# KiCad board PiEEG.kicad_pcb (continued)
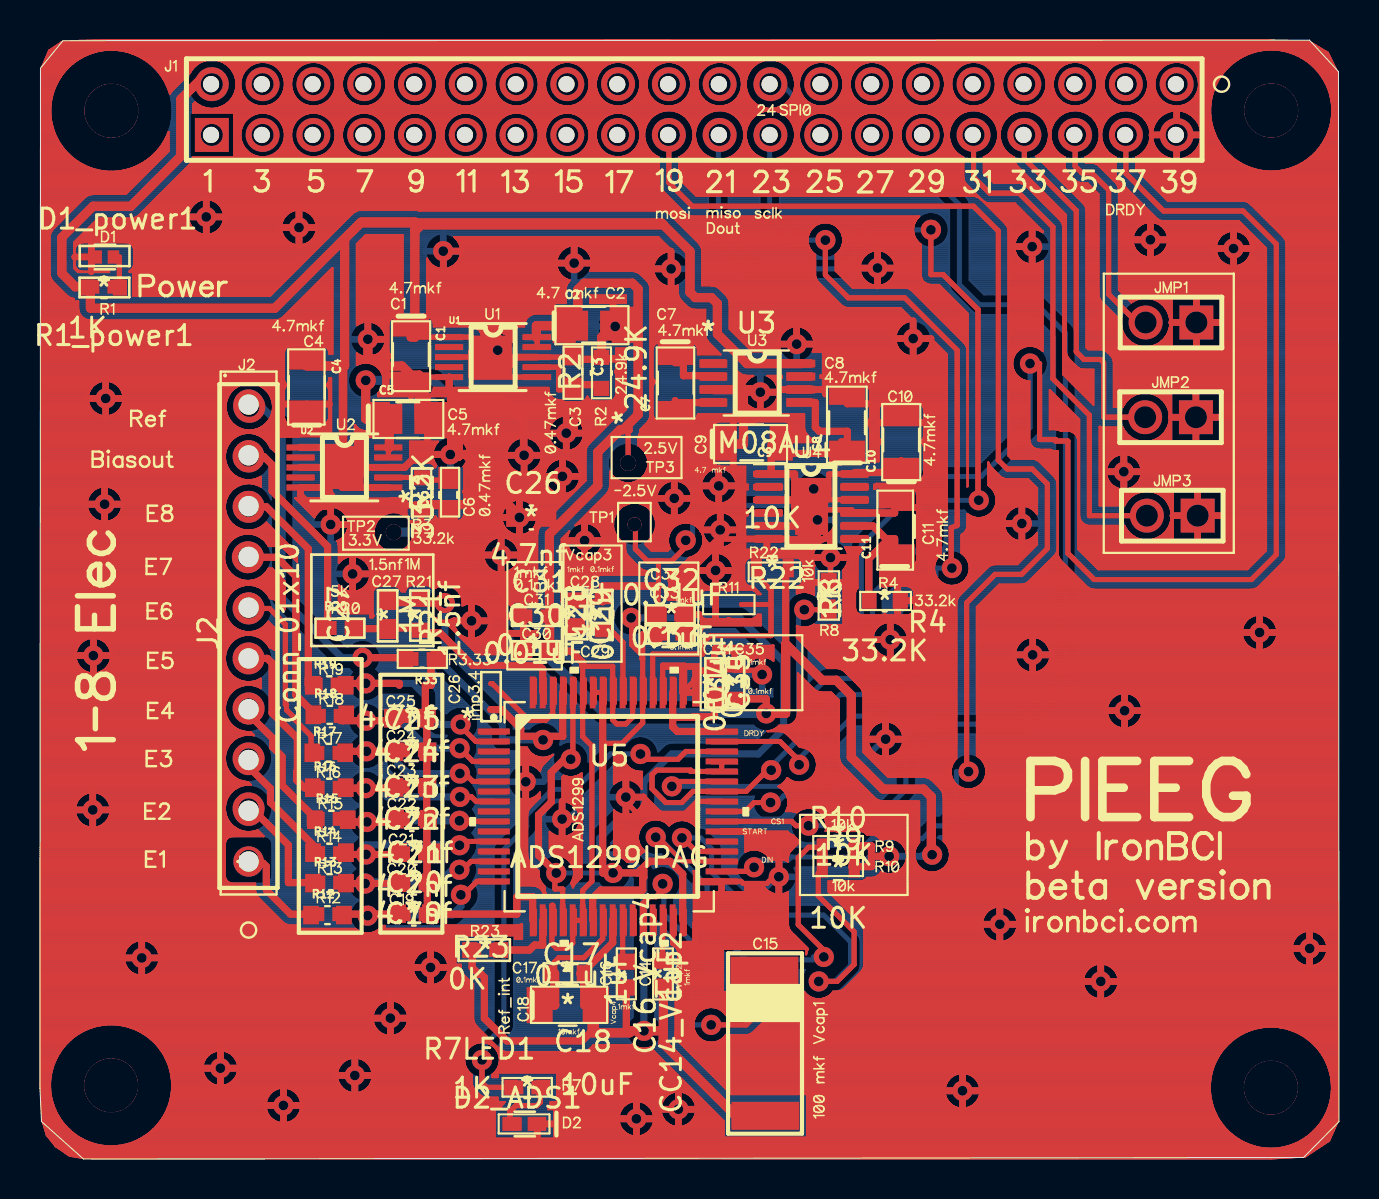
[diagram p0: board, top side]
## Routing (per net, layer and track width the routed paths; a pad name or vN(x,y) marks a point on that pad's centre or on a via; arc(x,y) is an arc through that point) (continued)
34.25,28.68 ; 34.31,28.72 34.36,28.76 ; 34.25,28.68 34.19,28.65 ; 34.25,28.68 34.19,28.65 ; 19.63,38.35 19.6,38.31 ; 19.63,38.35 19.65,38.38 ; 19.63,38.35 19.65,38.38 ; 19.63,38.35 19.6,38.31 ; 19.6,38.31 19.57,38.29 ; 19.6,38.31 19.57,38.29 ; 33.07,26.44 33.2,26.57 ; 33.07,26.44 33.2,26.57 ; 33.07,26.44 33.07,27.02 ; 33.07,26.44 33.07,27.02 ; 33.2,26.57 33.24,26.6 ; 33.2,26.57 33.24,26.6 ; 17.82,30.37 17.54,30.37 ; 17.82,30.37 17.54,30.37 ; 17.82,30.37 17.88,30.37 ; 17.82,30.37 17.88,30.37 ; 17.54,30.37 17.48,30.38 ; 17.54,30.37 17.48,30.38 ; 26.28,50.12 26.18,50.14 ; 26.28,50.12 26.18,50.14 ; 26.28,50.12 26.38,50.12 ; 26.28,50.12 26.38,50.12 ; 26.18,50.14 26.08,50.16 ; 26.18,50.14 26.08,50.16 ; 50.68,35.42 50.64,35.44 ; 50.68,35.42 50.64,35.44 ; 50.68,35.42 50.72,35.42 ; 50.68,35.42 50.72,35.42 ; 50.64,35.44 50.6,35.45 ; 50.64,35.44 50.6,35.45 ; 20.21,50.99 20.19,51.08 ; 20.21,50.99 20.19,51.08 ; 20.21,50.99 20.24,50.89 ; 20.21,50.99 20.24,50.89 ; 20.19,51.08 20.18,51.18 ; 20.19,51.08 20.18,51.18 ; 44.35,52.33 44.45,52.31 ; 44.35,52.33 44.26,52.34 ; 44.35,52.33 44.45,52.31 ; 44.35,52.33 44.26,52.34 ; 44.45,52.31 44.55,52.28 ; 44.45,52.31 44.55,52.28 ; 19.34,10.45 19.41,10.47 ; 19.34,10.45 19.41,10.47 ; 19.34,10.45 19.27,10.44 ; 19.34,10.45 19.27,10.44 ; 19.41,10.47 19.47,10.47 ; 19.41,10.47 19.47,10.47 ; 17.2,50.71 17.15,50.62 ; 17.2,50.71 17.15,50.62 ; 17.2,50.71 17.24,50.8 ; 17.2,50.71 17.24,50.8 ; 17.15,50.62 17.09,50.54 ; 17.15,50.62 17.09,50.54 ; 54.51,54.87 54.61,54.85 ; 54.51,54.87 54.42,54.88 ; 54.51,54.87 54.61,54.85 ; 54.51,54.87 54.42,54.88 ; 54.61,54.85 54.71,54.82 ; 54.61,54.85 54.71,54.82 ; 29.55,18.96 29.61,18.94 ; 29.55,18.96 29.61,18.94 ; 29.55,18.96 29.48,18.98 ; 29.55,18.96 29.48,18.98 ; 53.81,49.23 53.81,49.27 ; 53.81,49.23 53.82,49.19 ; 53.81,49.23 53.81,49.27 ; 53.81,49.23 53.82,49.19 ; 53.81,49.27 53.8,49.36 ; 53.81,49.27 53.8,49.36 ; 39.25,38.17 39.25,38.16 39.25,38.17 ; 39.25,38.17 39.25,38.45 ; 39.25,38.17 39.25,38.45 ; 39.25,38.17 39.24,38.17 ; 39.25,38.17 39.24,38.17 ; 53.52,52.18 53.6,52.24 ; 53.52,52.18 53.6,52.24 ; 53.6,52.24 53.68,52.29 ; 53.6,52.24 53.68,52.29 ; 21.67,41.62 21.71,41.61 ; 21.67,41.62 21.63,41.63 ; 21.67,41.62 21.63,41.63 ; 21.67,41.62 21.71,41.61 ; 21.71,41.61 21.75,41.6 ; 21.71,41.61 21.75,41.6 ; 40,13.92 39.97,13.94 ; 40,13.92 40.06,13.9 ; 40,13.92 39.97,13.94 ; 40,13.92 40.06,13.9 ; 13.1,52.19 13.02,52.14 ; 13.1,52.19 13.02,52.14 ; 15.23,53.25 15.19,53.34 ; 15.23,53.25 15.29,53.16 ; 15.23,53.25 15.29,53.16 ; 15.23,53.25 15.19,53.34 ; 15.19,53.34 15.16,53.43 ; 15.19,53.34 15.16,53.43 ; 12.2,39.12 12.2,40.35 ; 12.2,39.12 12.2,38.99 ; 12.2,39.12 12.2,38.99 ; 12.2,39.12 12.2,40.35 ; 12.2,40.35 12.21,40.41 ; 12.2,40.35 12.21,40.41 ; 18.98,47.45 31.09,47.45 ; 18.98,47.45 18.94,47.46 ; 18.98,47.45 31.09,47.45 ; 18.98,47.45 18.94,47.46 ; 31.09,47.45 31.13,47.44 ; 31.09,47.45 31.13,47.44 ; 12.27,46.03 12.23,46.08 ; 12.27,46.03 12.23,46.08 ; 12.27,46.03 12.32,45.98 ; 12.27,46.03 12.32,45.98 ; 12.23,46.08 12.19,46.14 ; 12.23,46.08 12.19,46.14 ; 4.98,47.24 4.94,47.2 ; 4.98,47.24 7.44,49.7 ; 4.98,47.24 7.44,49.7 ; 4.98,47.24 4.94,47.2 ; 4.94,47.2 4.9,47.17 ; 4.94,47.2 4.9,47.17 ; 60.15,26.07 60.13,26.14 ; 60.15,26.07 60.18,26.01 ; 60.15,26.07 60.13,26.14 ; 60.15,26.07 60.18,26.01 ; 60.13,26.14 60.12,26.21 ; 60.13,26.14 60.12,26.21 ; 52.14,39.5 52.1,39.5 ; 52.14,39.5 52.18,39.49 ; 52.14,39.5 52.1,39.5 ; 52.14,39.5 52.18,39.49 ; 52.1,39.5 52.06,39.51 ; 52.1,39.5 52.06,39.51 ; 27.18,53 27.11,52.94 ; 27.18,53 27.25,53.08 ; 27.18,53 27.25,53.08 ; 27.18,53 27.11,52.94 ; 27.11,52.94 27.03,52.87 ; 27.11,52.94 27.03,52.87 ; 41.85,17.99 41.81,18.01 ; 41.85,17.99 41.89,17.96 ; 41.85,17.99 41.81,18.01 ; 41.85,17.99 41.89,17.96 ; 41.81,18.01 41.77,18.04 ; 41.81,18.01 41.77,18.04 ; 42.79,41.17 42.81,41.24 ; 42.79,41.17 42.79,41.1 ; 42.79,41.17 42.81,41.24 ; 42.79,41.17 42.79,41.1 ; 40.34,29.69 40.3,29.62 ; 40.34,29.69 40.36,29.75 ; 40.34,29.69 40.36,29.75 ; 40.34,29.69 40.3,29.62 ; 40.74,53.08 40.69,53.16 ; 40.74,53.08 40.69,53.16 ; 40.69,53.16 40.63,53.25 ; 40.69,53.16 40.63,53.25 ; 22.27,27.5 22.31,27.44 ; 22.27,27.5 22.31,27.44 ; 17.1,32.17 17.15,32.21 ; 17.1,32.17 16.91,31.98 ; 17.1,32.17 16.91,31.98 ; 17.1,32.17 17.15,32.21 ; 17.15,32.21 17.2,32.23 ; 17.15,32.21 17.2,32.23 ; 25.5,35.98 25.47,36.05 ; 25.5,35.98 25.47,36.05 ; 25.5,35.98 25.53,35.92 ; 25.5,35.98 25.53,35.92 ; 25.47,36.05 25.46,36.11 ; 25.47,36.05 25.46,36.11 ; 43.98,33.93 43.92,33.91 ; 43.98,33.93 43.92,33.91 ; 43.98,33.93 44.03,33.96 ; 43.98,33.93 44.03,33.96 ; 43.92,33.91 43.86,33.9 ; 43.92,33.91 43.86,33.9 ; 17.52,33.04 17.47,33.04 ; 17.52,33.04 17.56,33.05 ; 17.52,33.04 17.56,33.05 ; 17.52,33.04 17.47,33.04 ; 17.47,33.04 17.38,33.04 ; 17.47,33.04 17.38,33.04 ; 64.18,50.84 64.09,50.72 ; 64.18,50.84 64.25,50.97 ; 64.18,50.84 64.25,50.97 ; 64.18,50.84 64.09,50.72 ; 64.09,50.72 64,50.6 ; 64.09,50.72 64,50.6 ; 42.03,21.86 42.09,21.87 ; 42.03,21.86 42.09,21.87 ; 42.03,21.86 41.96,21.83 ; 42.03,21.86 41.96,21.83 ; 42.09,21.87 42.16,21.89 ; 42.09,21.87 42.16,21.89 ; 4.6,49.57 4.74,49.62 ; 4.6,49.57 4.74,49.62 ; 19.37,45.03 19.36,45.05 ; 19.37,45.03 19.4,44.97 ; 19.37,45.03 19.4,44.97 ; 19.37,45.03 19.36,45.05 ; 19.36,45.05 19.36,42.15 ; 19.36,45.05 19.36,42.15 ; 31.72,16.87 31.77,16.89 ; 31.72,16.87 31.68,16.84 ; 31.72,16.87 31.68,16.84 ; 31.72,16.87 31.77,16.89 ; 31.77,16.89 31.81,16.91 ; 31.77,16.89 31.81,16.91 ; 19.57,38.29 19.54,38.26 ; 19.57,38.29 19.54,38.26 ; 19.54,38.26 19.51,38.24 ; 19.54,38.26 19.51,38.24 ; 26.65,19.11 26.7,19.12 ; 26.65,19.11 26.7,19.12 ; 43.04,51.18 43.04,51.28 ; 43.04,51.18 43.04,51.28 ; 43.04,51.18 43.05,51.08 ; 43.04,51.18 43.05,51.08 ; 43.04,51.28 43.05,51.38 ; 43.04,51.28 43.05,51.38 ; 39.97,20.15 39.97,22.95 ; 39.97,20.15 39.97,22.95 ; 39.97,20.15 39.97,20.05 ; 39.97,20.15 39.97,20.05 ; 39.97,22.95 39.57,23.34 ; 39.97,22.95 39.57,23.34 ; 48.43,46.55 48.42,46.59 ; 48.43,46.55 48.42,46.59 ; 31.76,10.65 31.8,10.61 ; 31.76,10.65 31.7,10.68 ; 31.76,10.65 31.8,10.61 ; 31.76,10.65 31.7,10.68 ; 31.8,10.61 31.84,10.56 ; 31.8,10.61 31.84,10.56 ; 47.76,32.57 47.74,32.53 ; 47.76,32.57 47.78,32.62 ; 47.76,32.57 47.74,32.53 ; 47.76,32.57 47.78,32.62 ; 47.74,32.53 47.71,32.48 ; 47.74,32.53 47.71,32.48 ; 29.94,19.38 29.89,19.39 ; 29.94,19.38 29.99,19.37 ; 29.94,19.38 29.89,19.39 ; 29.94,19.38 29.99,19.37 ; 29.89,19.39 29.84,19.4 ; 29.89,19.39 29.84,19.4 ; 26.54,17.79 26.6,17.76 ; 26.54,17.79 26.6,17.76 ; 26.54,17.79 26.47,17.83 ; 26.54,17.79 26.47,17.83 ; 55.66,35.94 55.56,35.91 ; 55.66,35.94 55.75,35.97 ; 55.66,35.94 55.56,35.91 ; 55.66,35.94 55.75,35.97 ; 55.56,35.91 55.47,35.89 ; 55.56,35.91 55.47,35.89 ; 33.1,33.41 33.08,33.48 ; 33.1,33.41 33.12,33.34 ; 33.1,33.41 33.08,33.48 ; 33.1,33.41 33.12,33.34 ; 33.08,33.48 33.07,33.55 ; 33.08,33.48 33.07,33.55 ; 44.79,29.9 44.81,29.95 ; 44.79,29.9 44.77,29.86 ; 44.79,29.9 44.81,29.95 ; 44.79,29.9 44.77,29.86 ; 44.81,29.95 44.83,29.99 ; 44.81,29.95 44.83,29.99 ; 10.03,53.62 10.05,53.53 ; 10.03,53.62 10.05,53.53 ; 26.21,35.04 26.28,35.03 ; 26.21,35.04 26.28,35.03 ; 26.21,35.04 26.14,35.05 ; 26.21,35.04 26.14,35.05 ; 26.28,35.03 26.35,35.02 ; 26.28,35.03 26.35,35.02 ; 5.78,1.6 5.68,1.49 ; 5.78,1.6 5.88,1.71 ; 5.78,1.6 5.68,1.49 ; 5.78,1.6 5.88,1.71 ; 5.68,1.49 5.57,1.39 ; 5.68,1.49 5.57,1.39 ; 30.03,53.82 30.03,53.72 ; 30.03,53.82 30.02,53.92 ; 30.03,53.82 30.02,53.92 ; 30.03,53.82 30.03,53.72 ; 30.03,53.72 30.02,53.62 ; 30.03,53.72 30.02,53.62 ; 19.47,38.22 19.44,38.2 ; 19.47,38.22 19.51,38.24 ; 19.47,38.22 19.51,38.24 ; 19.47,38.22 19.44,38.2 ; 19.44,38.2 19.4,38.19 ; 19.44,38.2 19.4,38.19 ; 14.29,36.8 14.25,36.78 ; 14.29,36.8 14.32,36.82 ; 14.29,36.8 14.25,36.78 ; 14.29,36.8 14.32,36.82 ; 14.25,36.78 14.22,36.76 ; 14.25,36.78 14.22,36.76 ; 37.4,17.59 37.39,17.54 ; 37.4,17.59 37.39,17.54 ; 37.4,17.59 37.41,17.64 ; 37.4,17.59 37.41,17.64 ; 37.39,17.54 37.37,17.49 ; 37.39,17.54 37.37,17.49 ; 0.65,53.34 0.7,53.48 ; 0.65,53.34 0.61,53.2 ; 0.65,53.34 0.7,53.48 ; 0.65,53.34 0.61,53.2 ; 0.7,53.48 0.75,53.62 ; 0.7,53.48 0.75,53.62 ; 41.52,50.12 41.62,50.12 ; 41.52,50.12 41.62,50.12 ; 21.2,54.88 21.3,54.89 ; 21.2,54.88 21.3,54.89 ; 21.2,54.88 21.1,54.87 ; 21.2,54.88 21.1,54.87 ; 21.3,54.89 21.4,54.88 ; 21.3,54.89 21.4,54.88 ; 38.65,30.02 38.65,30.09 ; 38.65,30.02 38.66,29.95 ; 38.65,30.02 38.66,29.95 ; 38.65,30.02 38.65,30.09 ; 38.65,30.09 38.65,30.16 ; 38.65,30.09 38.65,30.16 ; 41.22,45.16 41.27,45.21 ; 41.22,45.16 41.27,45.21 ; 41.27,45.21 41.32,45.26 ; 41.27,45.21 41.32,45.26 ; 50.91,52.11 50.98,52.18 ; 50.91,52.11 50.98,52.18 ; 50.91,52.11 50.84,52.04 ; 50.91,52.11 50.84,52.04 ; 50.98,52.18 51.06,52.24 ; 50.98,52.18 51.06,52.24 ; 14.78,53.92 14.76,54.02 ; 14.78,53.92 14.76,54.02 ; 5.14,49.82 5.01,49.75 ; 5.14,49.82 5.26,49.91 ; 5.14,49.82 5.01,49.75 ; 5.14,49.82 5.26,49.91 ; 5.01,49.75 4.87,49.68 ; 5.01,49.75 4.87,49.68 ; 46.31,31.43 46.33,31.46 ; 46.31,31.43 46.33,31.46 ; 50.38,25.74 50.42,25.68 ; 50.38,25.74 50.42,25.68 ; 50.38,25.74 50.33,25.8 ; 50.38,25.74 50.33,25.8 ; 50.42,25.68 50.45,25.62 ; 50.42,25.68 50.45,25.62 ; 48.36,54.47 48.43,54.54 ; 48.36,54.47 48.43,54.54 ; 48.36,54.47 48.31,54.39 ; 48.36,54.47 48.31,54.39 ; 48.43,54.54 48.5,54.61 ; 48.43,54.54 48.5,54.61 ; 31.3,1.87 31.25,1.92 ; 31.3,1.87 31.35,1.82 ; 31.3,1.87 31.25,1.92 ; 31.3,1.87 31.35,1.82 ; 31.25,1.92 31.21,1.97 ; 31.25,1.92 31.21,1.97 ; 10.94,50.14 10.84,50.16 ; 10.94,50.14 11.04,50.12 ; 10.94,50.14 11.04,50.12 ; 10.94,50.14 10.84,50.16 ; 10.84,50.16 10.74,50.19 ; 10.84,50.16 10.74,50.19 ; 17.09,50.54 17.02,50.46 ; 17.09,50.54 17.02,50.46 ; 60.18,26.01 60.2,25.94 ; 60.18,26.01 60.2,25.94 ; 26.8,17.57 26.85,17.52 ; 26.8,17.57 26.76,17.63 ; 26.8,17.57 26.76,17.63 ; 26.8,17.57 26.85,17.52 ; 49.11,32.69 49.18,32.68 ; 49.11,32.69 49.18,32.68 ; 52.87,49.77 52.9,49.75 ; 52.87,49.77 52.9,49.75 ; 41.95,43.69 41.88,43.68 ; 41.95,43.69 41.88,43.68 ; 42.16,37.83 42.13,37.81 ; 42.16,37.83 42.13,37.81 ; 33.93,36.89 33.97,36.9 ; 33.93,36.89 33.97,36.9 ; 33.93,36.89 33.89,36.88 ; 33.93,36.89 33.89,36.88 ; 33.97,36.9 34.01,36.91 ; 33.97,36.9 34.01,36.91 ; 40.9,30.12 40.91,30.16 ; 40.9,30.12 40.91,30.16 ; 40.9,30.12 40.9,30.07 ; 40.9,30.12 40.9,30.07 ; 40.91,30.16 40.92,30.2 ; 40.91,30.16 40.92,30.2 ; 31.9,10.45 31.91,10.4 ; 31.9,10.45 31.91,10.4 ; 31.9,10.45 31.87,10.51 ; 31.9,10.45 31.87,10.51 ; 31.91,10.4 31.91,10.33 ; 31.91,10.4 31.91,10.33 ; 24.69,42.28 24.73,42.29 ; 24.69,42.28 24.64,42.27 ; 24.69,42.28 24.64,42.27 ; 24.69,42.28 24.73,42.29 ; 24.73,42.29 24.78,42.3 ; 24.73,42.29 24.78,42.3 ; 47.28,19.68 47.3,19.63 ; 47.28,19.68 47.3,19.63 ; 47.28,19.68 47.27,19.73 ; 47.28,19.68 47.27,19.73 ; 47.3,19.63 47.31,19.59 ; 47.3,19.63 47.31,19.59 ; 19.24,52.77 19.15,52.73 ; 19.24,52.77 19.33,52.82 ; 19.24,52.77 19.15,52.73 ; 19.24,52.77 19.33,52.82 ; 19.15,52.73 19.05,52.7 ; 19.15,52.73 19.05,52.7 ; 37.92,18.83 37.87,18.84 ; 37.92,18.83 37.97,18.83 ; 37.92,18.83 37.87,18.84 ; 37.92,18.83 37.97,18.83 ; 37.87,18.84 37.82,18.85 ; 37.87,18.84 37.82,18.85 ; 14.8,33.14 14.76,33.17 ; 14.8,33.14 14.76,33.17 ; 14.8,33.14 14.83,33.12 ; 14.8,33.14 14.83,33.12 ; 14.76,33.17 14.73,33.2 ; 14.76,33.17 14.73,33.2 ; 55.24,50.41 55.17,50.34 ; 55.24,50.41 55.17,50.34 ; 55.24,50.41 55.3,50.49 ; 55.24,50.41 55.3,50.49 ; 55.17,50.34 55.09,50.27 ; 55.17,50.34 55.09,50.27 ; 37.6,17.4 37.64,17.4 ; 37.6,17.4 37.64,17.4 ; 37.6,17.4 37.32,17.4 ; 37.6,17.4 37.32,17.4 ; 37.64,17.4 37.68,17.4 ; 37.64,17.4 37.68,17.4 ; 58.81,45.49 58.81,45.56 ; 58.81,45.49 58.81,45.56 ; 58.81,45.49 58.82,45.42 ; 58.81,45.49 58.82,45.42 ; 58.81,45.56 58.81,45.63 ; 58.81,45.56 58.81,45.63 ; 48.79,39.28 48.77,39.32 ; 48.79,39.28 48.82,39.24 ; 48.79,39.28 48.82,39.24 ; 48.79,39.28 48.77,39.32 ; 48.77,39.32 48.74,39.36 ; 48.77,39.32 48.74,39.36 ; 12.13,46.95 12.11,46.88 ; 12.13,46.95 12.11,46.88 ; 45.22,51.58 45.24,51.48 ; 45.22,51.58 45.18,51.67 ; 45.22,51.58 45.18,51.67 ; 45.22,51.58 45.24,51.48 ; 45.24,51.48 45.26,51.38 ; 45.24,51.48 45.26,51.38 ; 27.01,17.06 27.01,17 ; 27.01,17.06 27.01,17 ; 27.01,17.06 27,17.13 ; 27.01,17.06 27,17.13 ; 27.01,17 27,16.93 ; 27.01,17 27,16.93 ; 60.35,0.77 60.21,0.83 ; 60.35,0.77 60.21,0.83 ; 38.43,46.22 38.44,46.26 ; 38.43,46.22 38.44,46.26 ; 38.43,46.22 38.41,46.17 ; 38.43,46.22 38.41,46.17 ; 10.15,38.77 10.24,38.79 ; 10.15,38.77 10.05,38.74 ; 10.15,38.77 10.05,38.74 ; 10.15,38.77 10.24,38.79 ; 10.24,38.79 10.34,38.81 ; 10.24,38.79 10.34,38.81 ; 38.72,20.2 38.75,20.16 ; 38.72,20.2 38.7,20.24 ; 38.72,20.2 38.7,20.24 ; 38.72,20.2 38.75,20.16 ; 38.75,20.16 38.77,20.12 ; 38.75,20.16 38.77,20.12 ; 31.16,45.33 31.22,45.36 ; 31.16,45.33 31.22,45.36 ; 31.22,45.36 31.29,45.38 ; 31.22,45.36 31.29,45.38 ; 19.7,41.67 19.7,41.65 ; 19.7,41.67 19.7,41.65 ; 19.7,41.65 21.55,41.65 ; 19.7,41.65 21.55,41.65 ; 38.68,52.28 38.59,52.24 ; 38.68,52.28 38.59,52.24 ; 4.61,44.53 4.57,44.49 ; 4.61,44.53 4.65,44.58 ; 4.61,44.53 4.57,44.49 ; 4.61,44.53 4.65,44.58 ; 4.57,44.49 4.52,44.45 ; 4.57,44.49 4.52,44.45 ; 17.2,32.23 17.45,32.34 ; 17.2,32.23 17.45,32.34 ; 17.45,32.34 17.51,32.35 ; 17.45,32.34 17.51,32.35 ; 9.71,5.12 9.75,5.06 ; 9.71,5.12 9.66,5.17 ; 9.71,5.12 9.66,5.17 ; 9.71,5.12 9.75,5.06 ; 9.75,5.06 9.79,5.01 ; 9.75,5.06 9.79,5.01 ; 19.9,28.64 19.95,28.66 ; 19.9,28.64 19.95,28.66 ; 19.95,28.66 20,28.67 ; 19.95,28.66 20,28.67 ; 50.99,36.47 51.03,36.45 ; 50.99,36.47 50.96,36.48 ; 50.99,36.47 50.96,36.48 ; 50.99,36.47 51.03,36.45 ; 51.03,36.45 51.07,36.43 ; 51.03,36.45 51.07,36.43 ; 43.1,15.78 43.14,15.74 ; 43.1,15.78 43.14,15.74 ; 43.1,15.78 43.07,15.81 ; 43.1,15.78 43.07,15.81 ; 63.11,11.33 63.17,11.36 ; 63.11,11.33 63.04,11.3 ; 63.11,11.33 63.17,11.36 ; 63.11,11.33 63.04,11.3 ; 63.17,11.36 63.24,11.38 ; 63.17,11.36 63.24,11.38 ; 64.59,52.99 64.56,53.13 ; 64.59,52.99 64.56,53.13 ; 38.87,35.86 38.81,35.88 ; 38.87,35.86 38.81,35.88 ; 38.87,35.86 37.61,35.86 ; 38.87,35.86 37.61,35.86 ; 38.81,35.88 38.77,35.89 ; 38.81,35.88 38.77,35.89 ; 24.86,51.67 24.9,51.58 ; 24.86,51.67 24.82,51.76 ; 24.86,51.67 24.82,51.76 ; 24.86,51.67 24.9,51.58 ; 24.9,51.58 24.92,51.48 ; 24.9,51.58 24.92,51.48 ; 11.26,28.39 11.33,28.32 ; 11.26,28.39 11.19,28.46 ; 11.26,28.39 11.19,28.46 ; 11.26,28.39 11.33,28.32 ; 11.33,28.32 11.39,28.24 ; 11.33,28.32 11.39,28.24 ; 39.47,52.28 39.56,52.24 ; 39.47,52.28 39.37,52.31 ; 39.47,52.28 39.37,52.31 ; 39.47,52.28 39.56,52.24 ; 39.56,52.24 39.65,52.19 ; 39.56,52.24 39.65,52.19 ; 34.6,36.91 35.35,36.91 ; 34.6,36.91 34.01,36.91 ; 34.6,36.91 35.35,36.91 ; 34.6,36.91 34.01,36.91 ; 35.35,36.91 35.39,36.9 ; 35.35,36.91 35.39,36.9 ; 25.32,51.58 25.35,51.67 ; 25.32,51.58 25.29,51.48 ; 25.32,51.58 25.29,51.48 ; 25.32,51.58 25.35,51.67 ; 25.35,51.67 25.39,51.76 ; 25.35,51.67 25.39,51.76 ; 50.72,53.43 50.69,53.53 ; 50.72,53.43 50.69,53.53 ; 50.72,53.43 50.75,53.34 ; 50.72,53.43 50.75,53.34 ; 50.69,53.53 50.67,53.62 ; 50.69,53.53 50.67,53.62 ; 36.72,38.93 36.76,38.88 ; 36.72,38.93 36.76,38.88 ; 36.72,38.93 36.67,38.98 ; 36.72,38.93 36.67,38.98 ; 36.76,38.88 36.8,38.82 ; 36.76,38.88 36.8,38.82 ; 6.12,54.13 6.2,54 ; 6.12,54.13 6.2,54 ; 8.43,52.55 8.34,52.57 ; 8.43,52.55 8.53,52.54 ; 8.43,52.55 8.34,52.57 ; 8.43,52.55 8.53,52.54 ; 8.34,52.57 8.24,52.59 ; 8.34,52.57 8.24,52.59 ; 25.32,54.12 25.35,54.21 ; 25.32,54.12 25.29,54.02 ; 25.32,54.12 25.29,54.02 ; 25.32,54.12 25.35,54.21 ; 25.35,54.21 25.39,54.3 ; 25.35,54.21 25.39,54.3 ; 28.69,31.5 28.67,31.56 ; 28.69,31.5 28.67,31.56 ; 10.35,36.33 10.26,36.32 ; 10.35,36.33 10.26,36.32 ; 14.47,38.99 14.46,38.93 ; 14.47,38.99 14.46,38.93 ; 14.47,38.99 14.47,39.06 ; 14.47,38.99 14.47,39.06 ; 14.46,38.93 14.44,38.88 ; 14.46,38.93 14.44,38.88 ; 55.01,52.26 55.09,52.2 ; 55.01,52.26 55.09,52.2 ; 55.01,52.26 54.92,52.31 ; 55.01,52.26 54.92,52.31 ; 55.09,52.2 55.16,52.13 ; 55.09,52.2 55.16,52.13 ; 52.49,9.57 52.54,9.61 ; 52.49,9.57 52.43,9.52 ; 52.49,9.57 52.54,9.61 ; 52.49,9.57 52.43,9.52 ; 52.54,9.61 52.6,9.65 ; 52.54,9.61 52.6,9.65 ; 12.49,11.69 12.44,11.7 ; 12.49,11.69 12.44,11.7 ; 12.44,11.7 12.4,11.7 ; 12.44,11.7 12.4,11.7 ; 44.77,29.27 44.76,29.32 ; 44.77,29.27 44.79,29.22 ; 44.77,29.27 44.79,29.22 ; 44.77,29.27 44.76,29.32 ; 44.76,29.32 44.74,29.36 ; 44.76,29.32 44.74,29.36 ; 44.26,50.12 44.16,50.12 ; 44.26,50.12 44.35,50.14 ; 44.26,50.12 44.35,50.14 ; 44.26,50.12 44.16,50.12 ; 21.01,31.95 20.97,31.93 ; 21.01,31.95 20.97,31.93 ; 21.01,31.95 21.04,31.97 ; 21.01,31.95 21.04,31.97 ; 20.97,31.93 20.94,31.92 ; 20.97,31.93 20.94,31.92 ; 44.55,52.28 44.64,52.24 ; 44.55,52.28 44.64,52.24 ; 44.64,52.24 44.73,52.19 ; 44.64,52.24 44.73,52.19 ; 34.12,25.26 34.16,25.26 ; 34.12,25.26 34.16,25.26 ; 34.12,25.26 33.71,25.26 ; 34.12,25.26 33.71,25.26 ; 34.16,25.26 34.19,25.25 ; 34.16,25.26 34.19,25.25 ; 31.44,32.21 31.38,32.23 ; 31.44,32.21 31.38,32.23 ; 12.8,53.08 12.75,53.16 ; 12.8,53.08 12.87,53 ; 12.8,53.08 12.75,53.16 ; 12.8,53.08 12.87,53 ; 12.75,53.16 12.69,53.25 ; 12.75,53.16 12.69,53.25 ; 56.15,40.96 56.08,40.89 ; 56.15,40.96 56.22,41.03 ; 56.15,40.96 56.08,40.89 ; 56.15,40.96 56.22,41.03 ; 3.2,25.9 3.25,25.86 ; 3.2,25.9 3.14,25.94 ; 3.2,25.9 3.14,25.94 ; 3.2,25.9 3.25,25.86 ; 3.25,25.86 3.31,25.81 ; 3.25,25.86 3.31,25.81 ; 1.76,45.61 1.78,45.65 ; 1.76,45.61 1.78,45.65 ; 1.76,45.61 1.75,45.58 ; 1.76,45.61 1.75,45.58 ; 1.78,45.65 1.8,45.68 ; 1.78,45.65 1.8,45.68 ; 28.9,37.09 29.31,37.5 ; 28.9,37.09 29.31,37.5 ; 29.31,37.5 29.31,40.55 ; 29.31,37.5 29.31,40.55 ; 4.57,10.79 4.63,10.83 ; 4.57,10.79 4.63,10.83 ; 4.63,10.83 4.69,10.86 ; 4.63,10.83 4.69,10.86 ; 16.46,3.65 16.42,3.6 ; 16.46,3.65 16.5,3.71 ; 16.46,3.65 16.42,3.6 ; 16.46,3.65 16.5,3.71 ; 16.42,3.6 16.37,3.54 ; 16.42,3.6 16.37,3.54 ; 56.12,52.94 56.05,53 ; 56.12,52.94 56.05,53 ; 56.05,53 55.98,53.08 ; 56.05,53 55.98,53.08 ; 3.87,33.39 3.91,33.34 ; 3.87,33.39 3.81,33.44 ; 3.87,33.39 3.81,33.44 ; 3.87,33.39 3.91,33.34 ; 3.91,33.34 3.96,33.28 ; 3.91,33.34 3.96,33.28 ; 23.88,36.04 23.94,36.06 ; 23.88,36.04 23.81,36.01 ; 23.88,36.04 23.81,36.01 ; 23.88,36.04 23.94,36.06 ; 62.74,10.07 62.78,10.02 ; 62.74,10.07 62.78,10.02 ; 35.4,33.51 35.4,33.74 ; 35.4,33.51 35.28,33.51 ; 35.4,33.51 35.4,33.74 ; 35.4,33.51 35.28,33.51 ; 35.4,33.74 35.28,33.74 ; 35.4,33.74 35.28,33.74 ; 33.13,31.41 33.13,31.48 ; 33.13,31.41 33.14,31.34 ; 33.13,31.41 33.13,31.48 ; 33.13,31.41 33.14,31.34 ; 33.13,31.48 33.14,31.55 ; 33.13,31.48 33.14,31.55 ; 32.94,29.18 32.92,29.25 ; 32.94,29.18 32.92,29.25 ; 32.92,29.25 32.91,29.31 ; 32.92,29.25 32.91,29.31 ; 19.67,41.91 19.64,41.97 ; 19.67,41.91 19.64,41.97 ; 61.13,25.46 61.06,25.45 ; 61.13,25.46 61.2,25.47 ; 61.13,25.46 61.06,25.45 ; 61.13,25.46 61.2,25.47 ; 61.06,25.45 60.99,25.45 ; 61.06,25.45 60.99,25.45 ; 16.68,7.33 16.71,7.4 ; 16.68,7.33 16.66,7.26 ; 16.68,7.33 16.66,7.26 ; 16.68,7.33 16.71,7.4 ; 16.71,7.4 16.74,7.46 ; 16.71,7.4 16.74,7.46 ; 3.39,44.4 3.33,44.41 ; 3.39,44.4 3.33,44.41 ; 40.17,46.03 40.18,45.97 ; 40.17,46.03 40.18,45.97 ; 40.17,46.03 40.17,46.08 ; 40.17,46.03 40.17,46.08 ; 40.18,45.97 40.17,45.92 ; 40.18,45.97 40.17,45.92 ; 15.03,4.71 15.07,4.77 ; 15.03,4.71 14.99,4.65 ; 15.03,4.71 14.99,4.65 ; 15.03,4.71 15.07,4.77 ; 15.07,4.77 15.12,4.82 ; 15.07,4.77 15.12,4.82 ; 31.79,6.41 31.79,6.36 ; 31.79,6.41 31.79,7.83 ; 31.79,6.41 31.79,7.83 ; 31.79,6.41 31.79,6.36 ; 31.79,6.36 31.78,6.32 ; 31.79,6.36 31.78,6.32 ; 7.8,54.72 7.88,54.78 ; 7.8,54.72 7.88,54.78 ; 7.8,54.72 7.73,54.65 ; 7.8,54.72 7.73,54.65 ; 31.33,33.85 31.39,33.88 ; 31.33,33.85 31.39,33.88 ; 31.33,33.85 31.27,33.82 ; 31.33,33.85 31.27,33.82 ; 31.39,33.88 31.46,33.9 ; 31.39,33.88 31.46,33.9 ; 50.47,24.87 50.44,24.81 ; 50.47,24.87 50.44,24.81 ; 19.56,52 19.63,51.93 ; 19.56,52 19.49,52.07 ; 19.56,52 19.49,52.07 ; 19.56,52 19.63,51.93 ; 19.63,51.93 19.69,51.85 ; 19.63,51.93 19.69,51.85 ; 16.32,50.12 16.22,50.12 ; 16.32,50.12 16.22,50.12 ; 16.32,50.12 16.41,50.14 ; 16.32,50.12 16.41,50.14 ; 16.22,50.12 16.12,50.12 ; 16.22,50.12 16.12,50.12 ; 38.82,30.61 38.86,30.67 ; 38.82,30.61 38.78,30.55 ; 38.82,30.61 38.86,30.67 ; 38.82,30.61 38.78,30.55 ; 38.86,30.67 38.91,30.72 ; 38.86,30.67 38.91,30.72 ; 31.97,52.35 32.06,52.31 ; 31.97,52.35 32.06,52.31 ; 31.97,52.35 31.88,52.39 ; 31.97,52.35 